# Altium PCB 2224_BuzzerWireGame.PcbDoc
Units mm, origin at the board's own origin, x right, y up, seen from the top; angles counter-clockwise.
Board outline 125.2 x 82 mm, 2 copper layers (Top Layer, Bottom Layer), stack 1.586 mm thick; 103 components, 85 nets, 373 pads, 110 vias.
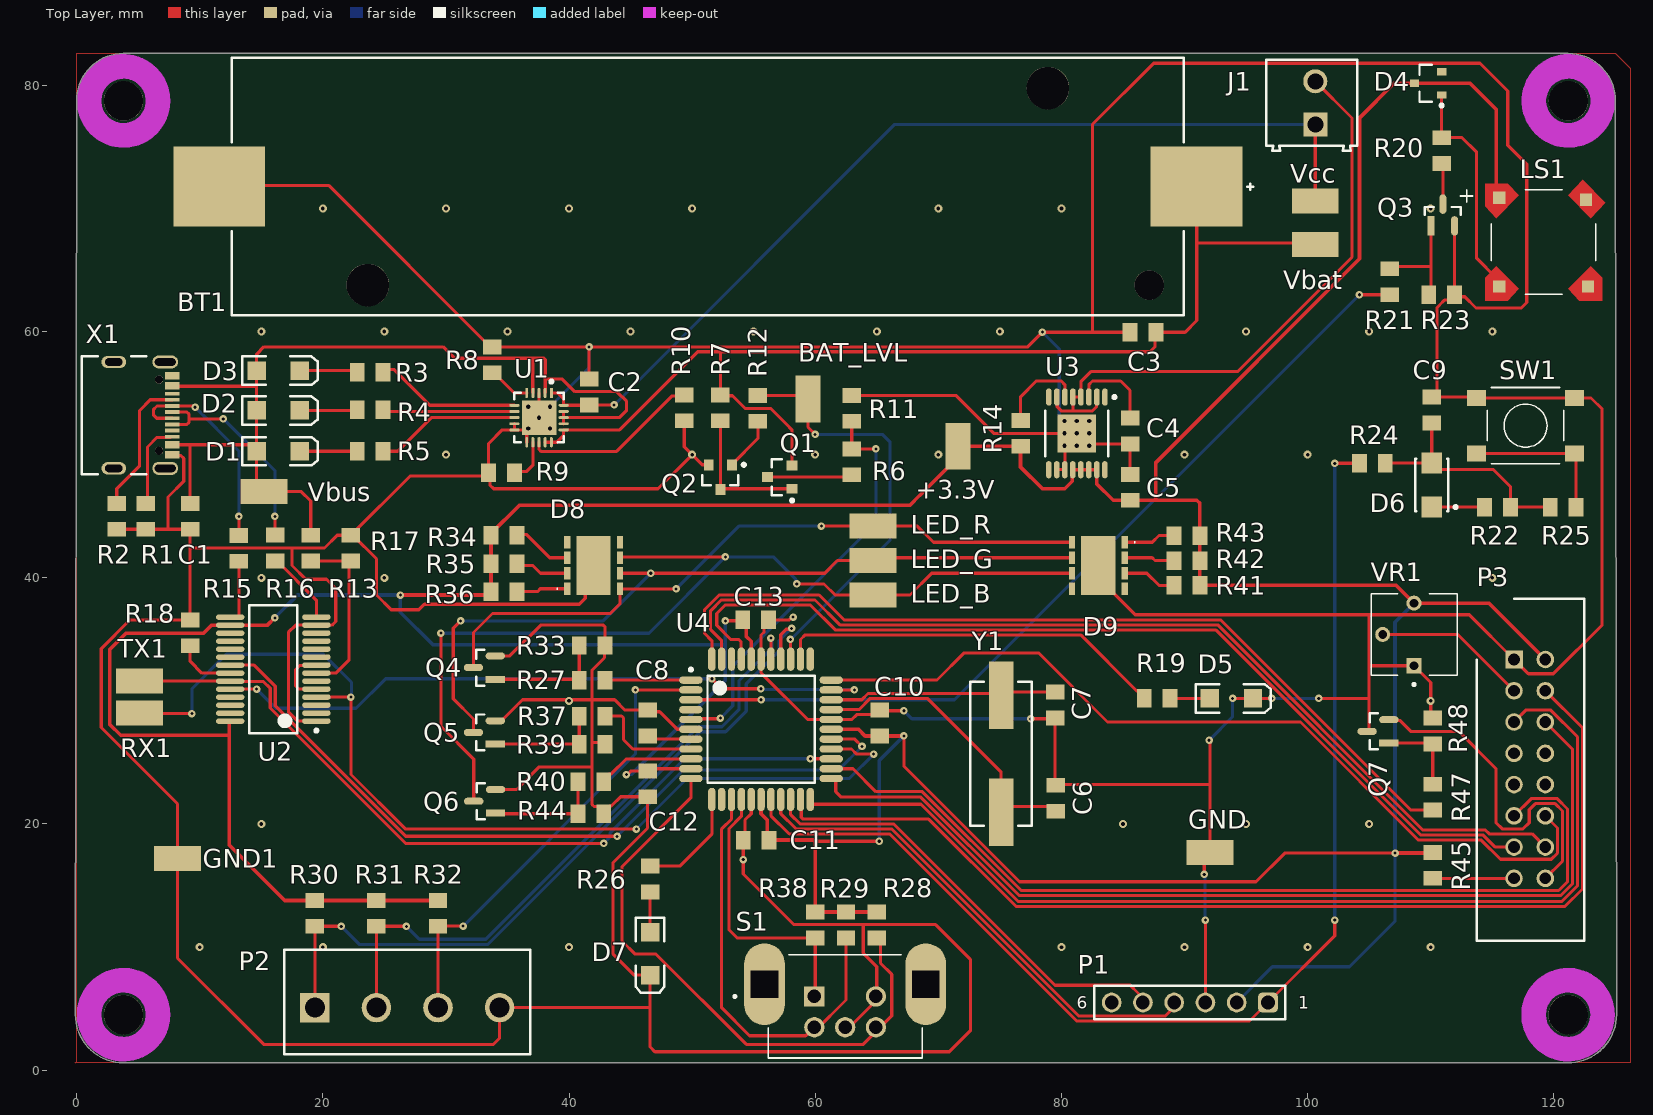
[diagram p0: Top Layer view]
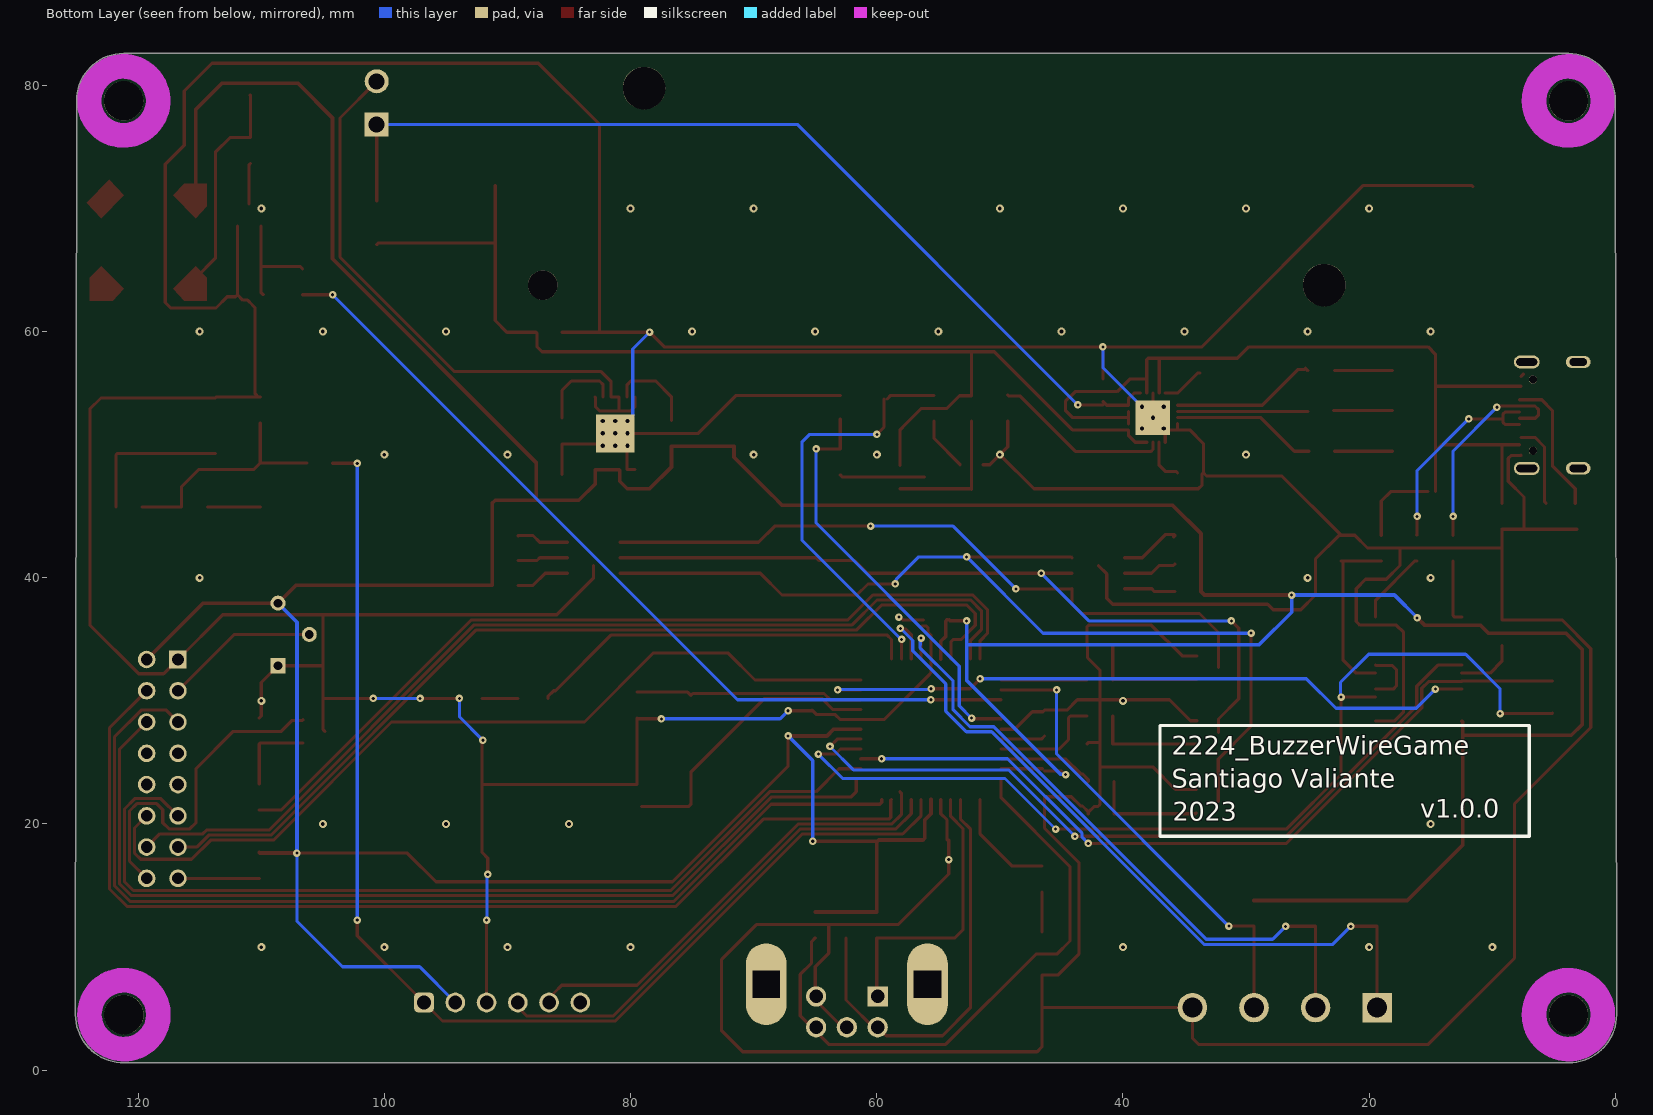
[diagram p1: Bottom Layer view, seen from below]

## Layer stack, top to bottom
Top Solder: solder mask 0.0102, Solder Resist, Dk 3.5
Top Layer: signal copper 0.018
Dielectric1: core 1.55, FR-4, Dk 4.8
Bottom Layer: signal copper 0.018
Bottom Solder: solder mask 0.0102, Solder Resist, Dk 3.5

## Board outline
3.81,0.6 cw(c3.81,4.51) -0.1,4.51 0,78.74 cw(c3.835,78.765) 3.81,82.6 121.179,82.6 cw(c121.16,78.76) 125,78.74 125.1,4.526 cw(c121.158,4.542) 121.142,0.6

## Design rules (kind name [scope] priority, off if disabled: settings)
BoardOutlineClearance [All] p1: gap=0.25 ignorepadtopadclearanceinfootprint=FALSE except(0: Arc-SplitContinuation Track-SplitContinuation SMDPad-SplitContinuation THPad-SplitContinuation Via-SplitContinuation Fill-SplitContinuation Poly-SplitContinuation Region-SplitContinuation Text-SplitContinuation)
Clearance Clearance-xPP-xTP-xTT [All] p1: gap=0.151 ignorepadtopadclearanceinfootprint=FALSE
ComponentClearance [All] p1: gap=0.25 collisioncheckmode=3 verticalgap=0.25 showdistances=FALSE
DiffPairsRouting [All] p1: maxlimit=0.25 minlimit=0.25 mostfreqgap=0.25 toplayer_minwidth=0.381 toplayer_maxwidth=0.381 toplayer_prefwidth=0.381 bottomlayer_minwidth=0.381 bottomlayer_maxwidth=0.381 bottomlayer_prefwidth=0.381 maxuncoupledlength=12.5
Height [All] p1: minheight=0 maxheight=25 prefheight=12.5
HoleSize HoleSize-PTH [All] p1: absolutevalues=TRUE maxlimit=10 minlimit=0.25 maxpercent=80.000 minpercent=20.000
HoleToHoleClearance [All] p1: gap=0.35 allowstackedmicrovias=TRUE
MinimumAnnularRing "Minimum IAR  >0.45mm" [((ObjectKind = 'Pad') OR (ObjectKind = 'Via')) And (Layer = 'MultiLayer') And (HoleDiameter > AsMM(0.45))] p1: minimumring=0.175 // minimum inner annular ring for pads > 0.45mm finished hole size
MinimumAnnularRing "Minimum IAR <=0.45mm" [((ObjectKind = 'Pad') OR (ObjectKind = 'Via')) And (Layer = 'MultiLayer') And (HoleDiameter <= AsMM(0.45))] p2: minimumring=0.175 // minimum inner annular ring for pads <= 0.45mm finished hole size
MinimumSolderMaskSliver [All] p1: minsoldermaskwidth=0.08
PasteMaskExpansion [All] p1: expansion=-0.025
PlaneClearance PlaneClearance-IPI [All] p1: clearance=0.25
PlaneConnect [All] p1: planeconnectstyle=Relief reliefexpansion=0.175 reliefentries=4 reliefconductorwidth=0.2 reliefairgap=0.2
PolygonConnect PolygonConnect-xTW [All] p1: connectstyle=Relief reliefconductorwidth=0.2 reliefentries=4 polygonreliefangle="90 Angle" airgapwidth=0.2
RoomDefinition Alimentation [InComponentClass('Alimentation')] p1: confinementstyle=ConfineIn formatcopy=TRUE lockcomponents=FALSE outline -219.71,-227.838 388.112,-227.838 388.112,287.02 -219.71,287.02
RoomDefinition uC_IO [InComponentClass('uC_IO')] p2: confinementstyle=ConfineIn formatcopy=TRUE lockcomponents=FALSE outline -250,-250 387.604,-250 387.604,279.654 -250,279.654
RoutingCorners [All] p1: cornerstyle=45-Degree minsetback=2.5 maxsetback=2.5
RoutingVias RoutingViasES [All] p1: holewidth=0.25 width=0.61 viastyle="Through Hole" minholewidth=0.25 minwidth=0.61 maxholewidth=0.45 maxwidth=0.8 // finishet hole size <= 0.45mm
SilkToSilkClearance [All] p1: silktosilkclearance=0.2
SilkToSolderMaskClearance SilkscreenOverComponentPads [IsPad] p1: minsilkscreentomaskgap=0 clearancetoexposedcopper=TRUE
SolderMaskExpansion [All] p1: expansion=0 istentingtop=FALSE
UnRoutedNet [All] p1: checkbadconnections=TRUE
Width Width-xTW [All] p1: maxlimit=1.5 minlimit=0.254 preferedwidth=0.254 minimp=50.000000 maximp=50.000000 favimp=50.000000
17 further rules are at their usual default settings.

## Classes and differential pairs
component class uC_IO: C6 C7 C8 C9 C10 C11 C12 C13 D4 D5 D6 D7 D8 D9 LED_B LED_G LED_R LS1 P1 P2 P3 Q3 Q4 Q5 Q6 Q7 R19 R20 R21 R22 R23 R24 R25 R26 R27 R28 R29 R30 R31 R32 R33 R34 R35 R36 R37 R38 R39 R40 R41 R42 R43 R44 R45 R47 R48 S1 SW1 U4 VR1 Y1
component class Alimentation: +3.3V BAT_LVL BT1 C1 C2 C3 C4 C5 D1 D2 D3 GND1 J1 Q1 Q2 R1 R2 R3 R4 R5 R6 R7 R8 R9 R10 R11 R12 R13 R14 R15 R16 R17 R18 RX1 TX1 U1 U2 U3 Vbat Vbus Vcc X1

## Components (designator, comment, footprint, x,y, rotation, side; value= is the part's Value field where it differs from the comment)
+3.3V "3.3V" KSTN-5019_V 71.602,50.682 r90 top
BAT_LVL "Vbat" KSTN-5019_V 59.41,54.529 r270 top
BT1 "1042P" FP-1042P-MFG 51.276,71.781 r0 top
C1 "4,7uF" CAP_0805 9.222,44.989 r90 top
C2 "4,7uF" CAP_0805 41.63,55.09 r270 top
C3 "4,7uF" CAP_0805 86.622,59.95 r0 top
C4 "4.7uF, 35V" CAP_0805 85.572,51.922 r270 top
C5 "6.8uF, 10V" CAP_0805 85.572,47.35 r90 top
C6 "22pF, 10V" CAP_0805 79.539,22.089 r270 top value=22pF
C7 "22pF, 10V" CAP_0805 79.482,29.662 r90 top value=22pF
C8 "10uF, 10V" CAP_0805 46.38,28.2 r90 top value=10uF
C9 "100nF, 50V" CAP_0805 110.084,53.629 r90 top
C10 "100nF, 50V" CAP_0805 65.252,28.2 r90 top
C11 "100nF, 50V" CAP_0805 55.204,18.694 r180 top
C12 "100nF, 50V" CAP_0805 46.38,23.264 r270 top
C13 "100nF, 50V" CAP_0805 55.16,36.582 r0 top
D1 "LED R" 3.2X1.6X1.1 16.373,50.284 r0 top
D2 "LED G" 3.2X1.6X1.1 16.373,53.593 r0 top
D3 "LED B" 3.2X1.6X1.1 16.373,56.828 r0 top
D4 "BAS16" INF-SOT23_L 109.786,80.164 r180 top
D5 "LED R" 3.2X1.6X1.1 93.811,30.201 r0 top
D6 "SS14-E3/5AT" VISH-DO-214AC-2_V 110.084,47.533 r270 top
D7 "LED G" 3.2X1.6X1.1 46.58,9.475 r270 top
D8 "XMLDCL-00-R250-00C5AAA02" XMLDCL00R25000C5AAA02 42,41 r180 top
D9 "XMLDCL-00-R250-00C5AAA02" XMLDCL00R25000C5AAA02 83,41 r0 top
GND "Vbat" KSTN-5019_V 92.061,17.684 r0 top
GND1 "Vbat" KSTN-5019_V 8.2,17.2 r0 top
J1 "691214110002" 691214110002 100.322,78.584 r90 top
LED_B "Vbat" KSTN-5019_V 64.7,38.6 r180 top
LED_G "Vbat" KSTN-5019_V 64.7,41.4 r180 top
LED_R "Vbat" KSTN-5019_V 64.7,44.2 r180 top
LS1 "Speaker" XDCR_SMTB-0827-TW-R 119.17,67.266 r0 top
P1 "61300611121" 61300611121 90.43,5.5 r180 top
P2 "691311700004" 691311700004 26.858,5.536 r0 top
P3 "Header 16" SHDR16W77P254_2X8_2764X859X1004P 116.767,33.364 r270 top
Q1 "NVR1P02T1G" ONSC-SOT-23-3-318-08_V 57.124,48.179 r180 top
Q2 "BSS138LT1G" ONSC-SOT-23-3-318-08_V 52.298,48.179 r270 top
Q3 "IRLML2402" FP-Micro3-IPC_B 110.986,69.471 r90 top
Q4 "IRLML2402" FP-Micro3-IPC_B 33.125,32.706 r180 top
Q5 "IRLML2402" FP-Micro3-IPC_B 33.125,27.434 r180 top
Q6 "IRLML2402" FP-Micro3-IPC_B 33.145,21.85 r180 top
Q7 "IRLML2402" FP-Micro3-IPC_B 105.714,27.522 r180 top
R1 "5K1" RES_0805 5.626,44.994 r90 top
R2 "5K1" RES_0805 3.257,44.994 r90 top
R3 "360R" RES_0805 23.85,56.704 r0 top
R4 "360R" RES_0805 23.85,53.664 r180 top
R5 "620R" RES_0805 23.85,50.284 r0 top
R6 "39K" RES_0805 62.966,49.415 r270 top
R7 "36K" RES_0805 52.298,53.801 r90 top value=39K
R8 "10K" RES_0805 33.756,57.698 r270 top value=10k
R9 "5K6" RES_0805 34.516,48.52 r0 top
R10 "2K2" RES_0805 49.362,53.801 r90 top
R11 "39K" RES_0805 62.966,53.767 r270 top
R12 "270R" RES_0805 55.346,53.767 r270 top value=270
R13 "10K" RES_0805 19.024,42.408 r90 top value=10k
R14 "100k" RES_0805 76.682,51.732 r90 top
R15 "Res2" RES_0805 13.182,42.39 r270 top value=24
R16 "Res2" RES_0805 16.132,42.424 r270 top value=24
R17 "20K" RES_0805 22.284,42.408 r270 top value=20k
R18 "1K" RES_0805 9.222,35.532 r270 top value=1k
R19 "620R" RES_0805 87.771,30.201 r180 top
R20 "150R" RES_0805 110.886,74.705 r270 top
R21 "200R" RES_0805 106.654,64.048 r90 top
R22 "10k" RES_0805 115.418,45.743 r180 top
R23 "100K" RES_0805 110.886,62.998 r0 top
R24 "1k" RES_0805 105.258,49.311 r180 top
R25 "100R" RES_0805 120.752,45.743 r180 top
R26 "360R" RES_0805 46.58,15.529 r90 top
R27 "200R" RES_0805 41.884,31.692 r0 top
R28 "10K" RES_0805 65,11.8 r90 top
R29 "10K" RES_0805 62.5,11.8 r90 top
R30 "10K" RES_0805 19.358,12.74 r90 top
R31 "10K" RES_0805 24.358,12.74 r90 top
R32 "10K" RES_0805 29.358,12.74 r90 top
R33 "100K" RES_0805 41.884,34.5 r0 top
R34 "2R" RES_0805 34.716,43.44 r0 top
R35 "3.3R" RES_0805 34.716,41.13 r0 top
R36 "6R" RES_0805 34.716,38.88 r0 top
R37 "200R" RES_0805 41.884,28.77 r0 top
R38 "10K" RES_0805 60,11.8 r90 top
R39 "100K" RES_0805 41.884,26.484 r0 top
R40 "200R" RES_0805 41.771,23.449 r0 top
R41 "2R" RES_0805 90.198,39.388 r180 top
R42 "3.3R" RES_0805 90.198,41.4 r180 top
R43 "6R" RES_0805 90.198,43.432 r180 top
R44 "100K" RES_0805 41.771,20.834 r0 top
R45 "15R" RES_0805 110.163,16.634 r90 top
R47 "200R" RES_0805 110.163,22.188 r270 top
R48 "100K" RES_0805 110.163,27.556 r90 top
RX1 "Vbat" KSTN-5019_V 5.118,29.007 r0 top
S1 "PEC12R-2220F-S0024" XDCR_PEC12R-2220F-S0024 62.43,3.491 r0 top
SW1 "430182043816" 430182043816 117.704,52.359 r0 top
TX1 "Vbat" KSTN-5019_V 5.118,31.607 r180 top
U1 "MCP73871T-2CCI/ML" MICROCHIP_C04V2 37.566,53.013 r270 top
U2 "CY7C64225-28PVXCT" CYP-PVX28_M 15.976,32.582 r180 top
U3 "MAX1793EUE33+" TSOP65P640X110_HS-17N 81.251,51.732 r270 top
U4 "PIC32MX250F256D-I/PT" MCHP-TQFP-PT44_M 55.6,27.692 r0 top
Vbat "Vbat" KSTN-5019_V 100.622,67.062 r0 top
Vbus "Vbat" KSTN-5019_V 15.214,46.996 r0 top (schematic designator Vin)
Vcc "Vbat" KSTN-5019_V 100.622,70.618 r180 top
VR1 "3362P-1-102LF" TRIM_3362P-1-102LF 108.639,35.396 r90 top
X1 "U262-161N-4BVC11" GCT_USB4105-GF-A 3.02,53.21 r270 top
Y1 "8MHz, 12p" FOX-FOXSDLF160-20_V 75.1,25.7 r90 top value="8M, 12p"

## Footprints (in the part's own frame and the unit in brackets; to place one, negate y for a bottom-side part, rotate by r counter-clockwise, add the part's x,y. Pads: shape width x height; smd on the part's side, far side on the other; paste and mask are expansions set on the pad)
3.2X1.6X1.1 [mm] "SMT LED; 2 Flat Leads"
  rect 1.5x1.5 smd: 1(-1.75,0) 2(1.75,0)
  silkscreen extent -2.9,-1.15 3.2,1.15
61300611121 [mm]
  rrect40% 1.6x1.6 hole 1.1: 1(-6.35,0)
  round 1.6 hole 1.1: 2(-3.81,0) 3(-1.27,0) 4(1.27,0) 5(3.81,0) 6(6.35,0)
  silkscreen extent -7.77,-1.35 7.77,1.34, body extent -7.62,-1.27 7.62,1.27, height 8.57
430182043816 [mm] "6*6mm vertical type, SMD, height 4.3mm, black actuator, 160gf, T&R"
  rect 1.55x1.3 smd: 1(-3.975,2.25) 2(-3.975,-2.25) 3(3.975,2.25) 4(3.975,-2.25)
  silkscreen extent -3.1,-3.1 3.1,3.1, body extent -4.5,-3.1 4.5,3.1, height 4.29
691214110002 [mm] "3.50 mm Horizontal Entry Modular, 2p"
  rect 1.95x1.95 hole 1.3: 1(-1.75,-0.3)
  round 1.95 hole 1.3: 2(1.75,-0.3)
  silkscreen extent -3.9,-3.7 3.5,3.7, body extent -3.95,-3.7 3.5,3.7, height 8.55
691311700004 [mm] "5.00mm - Open Vertical PCB Header - 04p"
  rect 2.4x2.4 hole 1.6: 1(-7.5,-0.45)
  round 2.4 hole 1.6: 2(-2.5,-0.45) 3(2.5,-0.45) 4(7.5,-0.45)
  silkscreen extent -10,-4.25 10,4.25, body extent -10,-4.25 10,4.25, height 12.1
CAP_0805 [mm]
  rect 1.2x1.5 smd: 1(-1.05,0) 2(1.05,0)
  body extent -1,-0.63 1,0.63, height 0.81
CYP-PVX28_M [mm] "SOP, 28-Leads, Body 10.2x5.3mm, Pitch 0.65mm, IPC Low Density"
  oval 2.3x0.45 smd: 1(-3.5,4.225) 2(-3.5,3.575) 3(-3.5,2.925) 4(-3.5,2.275) 5(-3.5,1.625) 6(-3.5,0.975) 7(-3.5,0.325) 8(-3.5,-0.325) 9(-3.5,-0.975) 10(-3.5,-1.625) 11(-3.5,-2.275) 12(-3.5,-2.925) 13(-3.5,-3.575) 14(-3.5,-4.225) 15(3.5,-4.225) 16(3.5,-3.575) 17(3.5,-2.925) 18(3.5,-2.275) 19(3.5,-1.625) 20(3.5,-0.975) 21(3.5,-0.325) 22(3.5,0.325) 23(3.5,0.975) 24(3.5,1.625) 25(3.5,2.275) 26(3.5,2.925) 27(3.5,3.575) 28(3.5,4.225)
  silkscreen extent -3.63,-5.2 1.95,5.2, body extent -2.8,-5.2 2.8,5.2, height 2
FOX-FOXSDLF160-20_V [mm] "SMD, 2-Leads, Body 5x11.7mm, Height 4.5mm"
  rect 5.5x2 smd: 1(-4.75,0) 2(4.75,0)
  silkscreen extent -5.85,-2.5 5.85,2.5, body extent -5.85,-2.5 5.85,2.5, height 4.5
FP-1042P-MFG [mil]
  rect 294x255 smd paste+0 mask+0: 1(-1562.5,0) 2(1562.5,0)
  round 135.83 hole 135.83 unplated paste-39370.1 mask+0: ""(-1087.5,-315) ""(1087.5,315)
  round 94 hole 94 unplated paste-39370.1 mask+0: ""(1411.5,-315)
  silkscreen extent -1522,-412 1745,412, body extent -1713,-415 1713,415, height 10
FP-Micro3-IPC_B [mm]
  rect 1.574x0.572 smd paste+0 mask+0: 1(-0.885,0.95)
  rrect100% 1.574x0.572 smd paste+0 mask+0: 2(-0.885,-0.95) 3(0.885,0)
  silkscreen extent 0,-1.46 0.65,1.46, body extent -1.92,-1.71 1.92,1.71, height 0.25
GCT_USB4105-GF-A [mm]
  rect 0.6x1.15 smd: A1B12(-3.2,4.755) A4B9(-2.4,4.755) B1A12(3.2,4.755) B4A9(2.4,4.755)
  rect 0.3x1.15 smd: A5(-1.25,4.755) A6(-0.25,4.755) A7(0.25,4.755) A8(1.25,4.755) B5(1.75,4.755) B6(0.75,4.755) B7(-0.75,4.755) B8(-1.75,4.755)
  oval 1.05x2.1 hole 0.6 slot 1.7 at 90 deg: S1(-4.32,4.18) S4(4.32,4.18)
  oval 1x2 hole 0.6 slot 1.4 at 90 deg: S2(-4.32,0) S3(4.32,0)
  round 0.65 hole 0.65 unplated: ""(-2.89,3.68) ""(2.89,3.68)
  silkscreen extent -4.79,-2.6 4.79,2.65, body extent -4.47,-2.59 4.47,5.11, height 3.26
INF-SOT23_L [mm] "SOT23, 3-Leads, Body 2.9x1.3 mm, Pitch 0.95 mm, IPC High Density"
  rect 0.75x0.6 smd: 1(-1.1,0.95) 2(-1.1,-0.95) 3(1.1,0)
  silkscreen extent -1.23,-1.5 0.7,1.92, body extent -0.7,-1.5 0.7,1.5, height 1.1
KSTN-5019_V [mm] "Test Point, 1-Leads, Body 3.81x2.03mm"
  rect 3.8x2.03 smd: 1(0,0)
  body extent -1.9,-1.01 1.9,1.02, height 2.29
MCHP-TQFP-PT44_M [mm] "QFN, 44-Leads, Body 10x10mm, Pitch 0.8mm, IPC Low Density"
  oval 1.9x0.6 smd: 1(-5.7,4) 2(-5.7,3.2) 3(-5.7,2.4) 4(-5.7,1.6) 5(-5.7,0.8) 6(-5.7,0) 7(-5.7,-0.8) 8(-5.7,-1.6) 9(-5.7,-2.4) 10(-5.7,-3.2) 11(-5.7,-4) 23(5.7,-4) 24(5.7,-3.2) 25(5.7,-2.4) 26(5.7,-1.6) 27(5.7,-0.8) 28(5.7,0) 29(5.7,0.8) 30(5.7,1.6) 31(5.7,2.4) 32(5.7,3.2) 33(5.7,4)
  oval 0.6x1.9 smd: 12(-4,-5.7) 13(-3.2,-5.7) 14(-2.4,-5.7) 15(-1.6,-5.7) 16(-0.8,-5.7) 17(0,-5.7) 18(0.8,-5.7) 19(1.6,-5.7) 20(2.4,-5.7) 21(3.2,-5.7) 22(4,-5.7) 34(4,5.7) 35(3.2,5.7) 36(2.4,5.7) 37(1.6,5.7) 38(0.8,5.7) 39(0,5.7) 40(-0.8,5.7) 41(-1.6,5.7) 42(-2.4,5.7) 43(-3.2,5.7) 44(-4,5.7)
  silkscreen extent -5.82,-4.35 4.35,4.97, body extent -5,-5 5,5, height 1.2
MICROCHIP_C04V2 [mm]
  rect 0.829x0.239 smd paste+0 mask+0: 1(-2,1)
  rrect100% 0.829x0.239 smd paste+0 mask+0: 2(-2,0.5) 3(-2,0) 4(-2,-0.5) 5(-2,-1) 11(2,-1) 12(2,-0.5) 13(2,0) 14(2,0.5) 15(2,1)
  rrect100% 0.239x0.829 smd paste+0 mask+0: 6(-1,-2) 7(-0.5,-2) 8(0,-2) 9(0.5,-2) 10(1,-2) 16(1,2) 17(0.5,2) 18(0,2) 19(-0.5,2) 20(-1,2)
  rect 2.8x2.8 smd paste-1000 mask+0: 21(0,0)
  rect 2.8x2.8 smd far side paste-1000 mask+0: 21(0,0)
  silkscreen extent -3.05,-2 2,2, body extent -2,-2 2,2, height 1
ONSC-SOT-23-3-318-08_V [mm] "SOT23, 3-Leads, Body 2.92x1.3mm, Pitch 0.95mm"
  rect 0.9x0.8 smd: 1(-1,0.95) 2(-1,-0.95) 3(1,0)
  silkscreen extent -1.13,-1.46 0.65,2.02, body extent -0.65,-1.46 0.65,1.46, height 1.11
RES_0805 [mm]
  rect 1.2x1.5 smd: 1(-1.05,0) 2(1.05,0)
  body extent -1,-0.63 1,0.63, height 0.52
SHDR16W77P254_2X8_2764X859X1004P [mm]
  rect 1.425x1.425 / inner round 1.425 / far side rect 1.425x1.425 hole 0.95: 1(0,0)
  round 1.425 hole 0.95: 2(0,2.54) 3(2.54,0) 4(2.54,2.54) 5(5.08,0) 6(5.08,2.54) 7(7.62,0) 8(7.62,2.54) 9(10.16,0) 10(10.16,2.54) 11(12.7,0) 12(12.7,2.54) 13(15.24,0) 14(15.24,2.54) 15(17.78,0) 16(17.78,2.54)
  silkscreen extent -4.93,-3.03 22.84,5.7, body extent -4.93,-3.03 22.71,5.57, height 10.04
TRIM_3362P-1-102LF [mm]
  rect 1.222x1.222 hole 0.714: 1(-2.54,0)
  round 1.222 hole 0.714: 2(0,2.54) 3(2.54,0)
  silkscreen extent -4.16,-3.53 3.3,3.47, body extent -1.55,-0.8 1.55,0.8, height 0.65
TSOP65P640X110_HS-17N [mm] "TSOP, 16-Leads, Body 5.00x4.40mm, Pitch 0.65mm, Thermal Pad 3.10x3.10mm, IPC Medium Density"
  oval 1.4x0.45 smd: 1(-2.95,2.275) 2(-2.95,1.625) 3(-2.95,0.975) 4(-2.95,0.325) 5(-2.95,-0.325) 6(-2.95,-0.975) 7(-2.95,-1.625) 8(-2.95,-2.275) 9(2.95,-2.275) 10(2.95,-1.625) 11(2.95,-0.975) 12(2.95,-0.325) 13(2.95,0.325) 14(2.95,0.975) 15(2.95,1.625) 16(2.95,2.275)
  rect 3.1x3.1 smd: 10(0,0)
  rect 3.1x3.1 smd far side: 10(0,0)
  silkscreen extent -3.07,-2.55 1.85,3.17, body extent -3.19,-2.55 3.19,2.55, height 1.1
VISH-DO-214AC-2_V [mm] "SMA, 2-Leads, Body 4.245x2.665mm, Height 2.29mm"
  rect 1.7x1.68 smd: 1(-1.79,0) 2(1.79,0)
  silkscreen extent -2.12,-1.33 2.12,2.06, body extent -2.57,-1.33 2.57,1.33, height 2.29
XDCR_PEC12R-2220F-S0024 [mm]
  rect 1.65x1.65 hole 1.1: 1(-2.5,2.5)
  round 1.65 hole 1.1: 2(2.5,2.5) A(-2.5,0) B(2.5,0) C(0,0)
  oval 3.316x6.632 hole 2.2 square: S1(-6.55,3.5) S2(6.55,3.5)
  silkscreen extent -9.06,-2.5 6.25,5.9, body extent -6.41,-16.19 6.41,6.21, height 16.7
XDCR_SMTB-0827-TW-R [mm]
  rect 1x1 smd paste-1 mask+0: 2(3.45,3.45) 4(3.6,-3.6) N(-3.6,-3.6) P(-3.6,3.6)
  Top Layer region: -2.009,-3.798 -2.912,-4.75 -4.75,-4.75 -4.75,-2.912 -3.848,-1.959
  Top Layer region: 5,3.212 3.848,1.959 2.009,3.798 3.162,5.05
  Top Layer region: 4.75,-2.912 4.75,-4.75 2.912,-4.75 2.009,-3.798 3.848,-1.959
  Top Layer region: -2.009,3.798 -3.848,1.959 -4.75,2.912 -4.75,4.75 -2.912,4.75
  silkscreen extent -6.75,-4.25 4.25,4.25, body extent -4.25,-4.25 4.25,4.25, height 3.06
XMLDCL00R25000C5AAA02 [mm]
  rect 0.5x1.01 smd: 1(2.14,1.89) 2(2.14,0.63) 3(2.14,-0.63) 4(2.14,-1.89) 5(-2.14,-1.89) 6(-2.14,-0.63) 7(-2.14,0.63) 8(-2.14,1.89)
  rect 2.78x4.78 smd: 9(0,0)
  silkscreen extent 2.9,1.84 3,1.94, body extent -10,-3.38 10,3.38, height 5.8
